# Altium PCB Aarons_MnDOT_Board_V1.1.PcbDoc (part 2 of 3)
Units mil, origin at the board's own origin, x right, y up, seen from the top; angles counter-clockwise.
Board outline 4500 x 2200 mil, 4 copper layers (Top Layer, Signal Layer 1, Signal Layer 2, Bottom Layer), stack 30.634 mil thick; 292 components, 149 nets, 764 pads, 182 vias.
Unrouted connection lines stored in the file: 2.
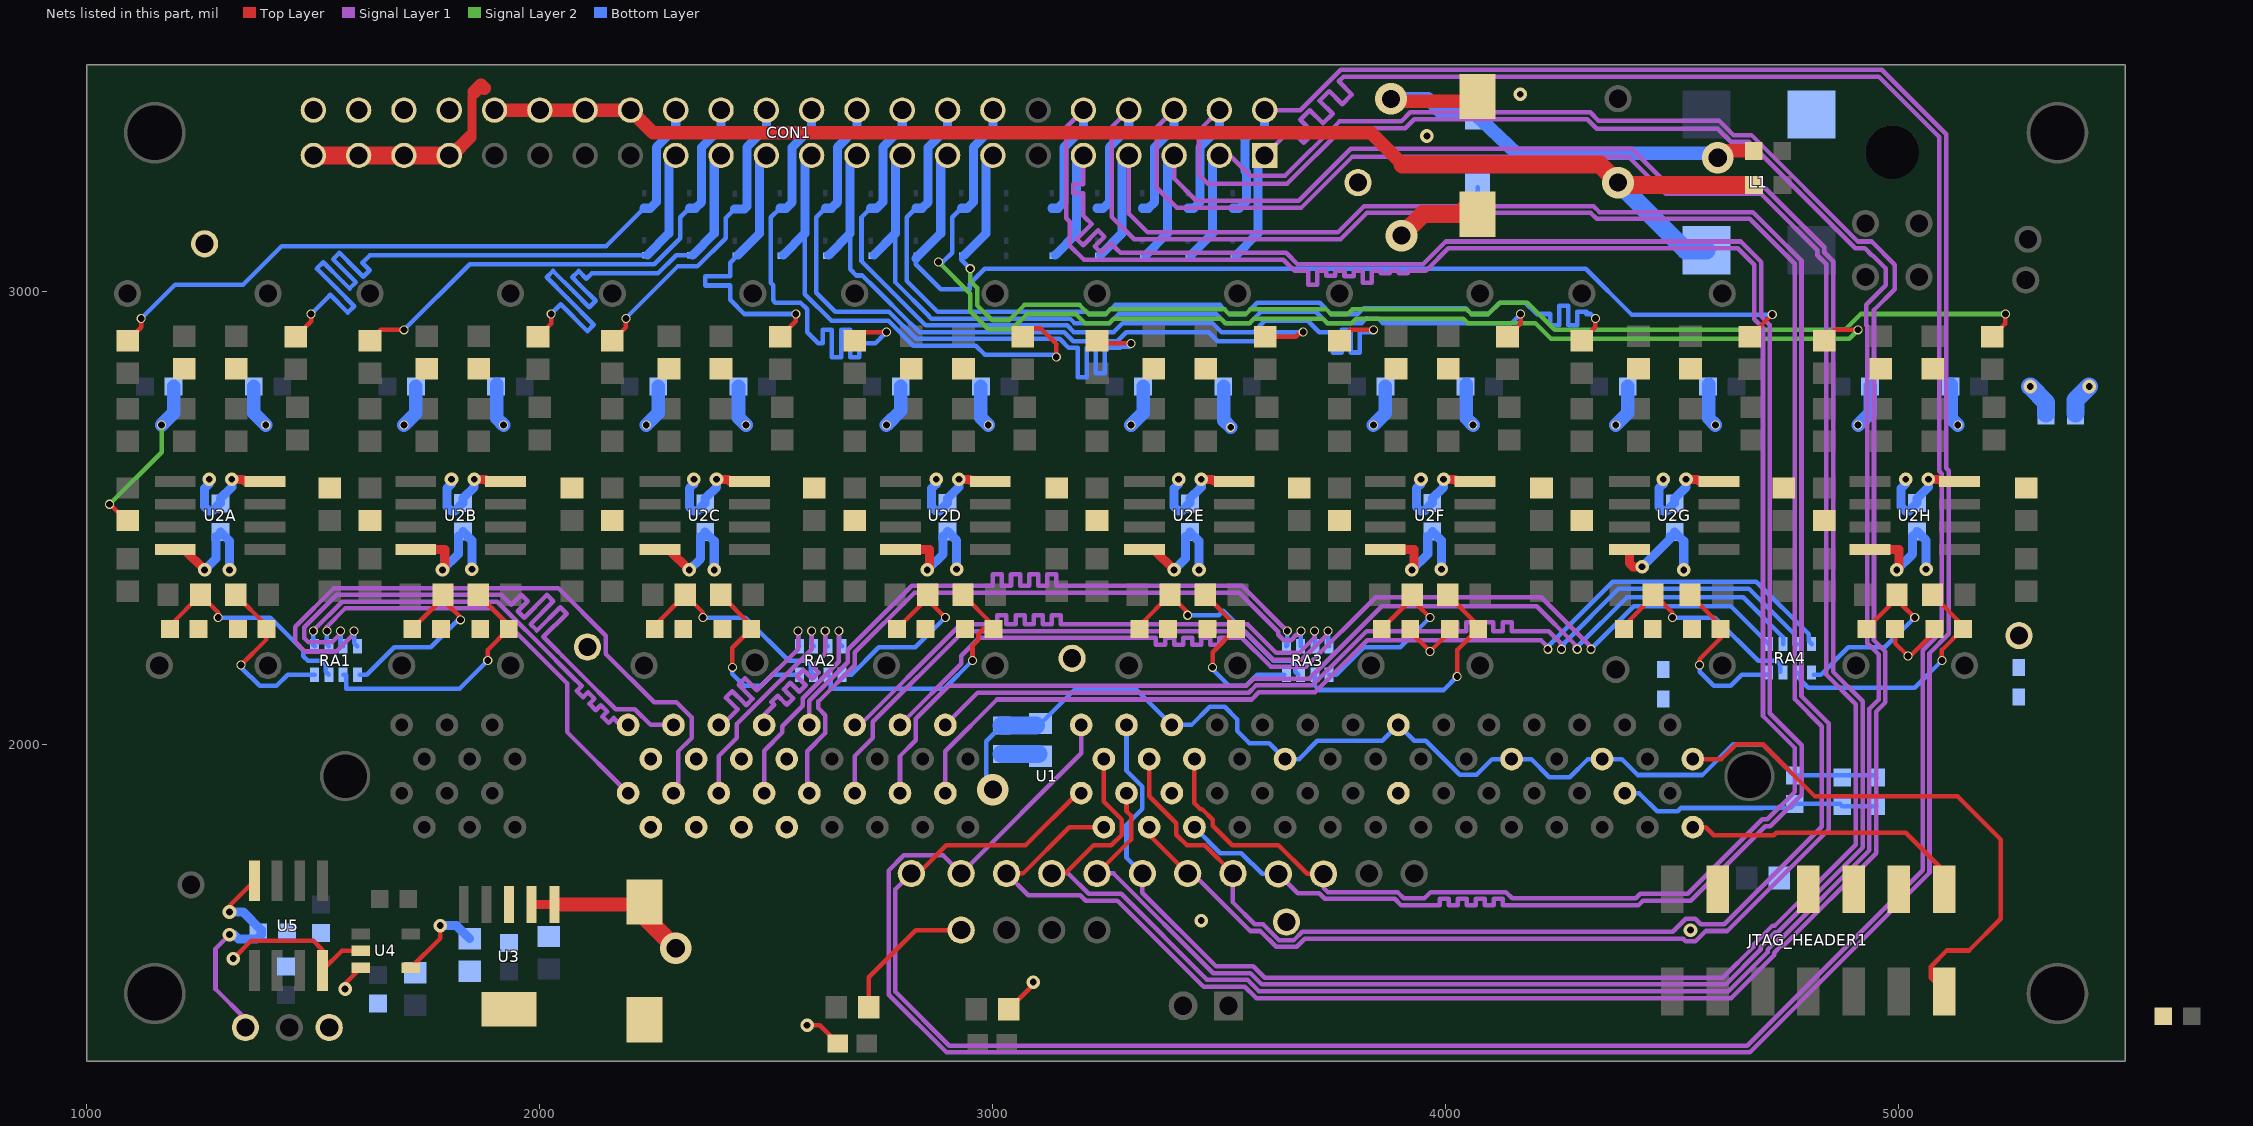
[diagram p4: the nets of this part, all layers, seen from the top]

## Via types
v1: diameter 20, hole 15, Top Layer to Bottom Layer, 97 vias
v2: diameter 30, hole 15, Top Layer to Bottom Layer, 49 vias
v3: diameter 20, hole 10, Top Layer to Bottom Layer, 28 vias
v4: diameter 70, hole 40, Top Layer to Bottom Layer, 8 vias

## Nets (pads, with @x,y where several pads share a name; then routed paths per layer and width w, separated by ;. In a path a pad name is that pad's centre, name@x,y a point inside that pad or via, vN(x,y) a via of type N, cw(c..) or ccw(c..) an arc to the next point about the centre after c; other vN are vias at no path point) (continued)
5V_A: C10A.2 C10B.2 C10C.2 C10D.2 C10E.2 C10F.2 C10G.2 C10H.2 L2.2 U2A.8 U2B.8 U2C.8 U2D.8 U2E.8 U2F.8 U2G.8 U2H.8 | length 2490.7
  Top Layer w10: U2A.8@1195,2430 U2A.8@1215,2430 ; U2C.8@2265,2430 U2C.8@2285,2430 ; U2E.8@3335,2430 U2E.8@3355,2430
  Top Layer w20: U2A.8@1215,2430 v2(1260,2385) ; U2B.8@1726,2430 1790,2430 1790,2390 v2(1785,2385) ; U2C.8@2285,2430 v2(2330,2385) ; U2D.8@2796,2430 2860,2430 2860,2390 v2(2855,2385) ; U2E.8@3355,2430 v2(3400,2385) ; U2F.8@3866,2430 3930,2430 3930,2390 v2(3925,2385) ; U2G.8@4405,2430 4405,2400 4413,2392 v2(4433,2392) ; U2H.8@4936,2430 5000,2430 5000,2390 v2(4995,2385)
  Bottom Layer w10: v2@1250,2385 v2(1260,2385) ; C10A.2@1285,2458.5 C10A.2@1295,2468.5 ; C10B.2@1820,2460 C10B.2@1830,2470 C10B.2@1830,2460 ; v2@2320,2385 v2(2330,2385) ; C10C.2@2355,2458.5 C10C.2@2365,2468.5 C10C.2@2365,2455 ; C10D.2@2890,2460 C10D.2@2900,2470 C10D.2@2900,2460 ; v2@3390,2385 v2(3400,2385) ; C10E.2@3425,2458.5 C10E.2@3435,2468.5 C10E.2@3435,2455 ; C10F.2@3960,2460 C10F.2@3970,2470 C10F.2@3970,2460 ; C10G.2@4495,2458.5 C10G.2@4505,2468.5 C10G.2@4505,2455 ; C10H.2@5030,2460 C10H.2@5040,2470 C10H.2@5040,2460
  Bottom Layer w20: v2(1260,2385) 1285,2410 C10A.2@1285,2458.5 ; C10A.2@1295,2468.5 1315,2448.5 v2(1315,2385) ; v2(1785,2385) 1820,2420 C10B.2@1820,2460 ; C10B.2@1830,2470 1850,2450 v2(1850,2386.5) ; v2(2330,2385) 2355,2410 C10C.2@2355,2458.5 ; C10C.2@2365,2468.5 2385,2448.5 v2(2385,2385) ; v2(2855,2385) 2890,2420 C10D.2@2890,2460 ; C10D.2@2900,2470 2920,2450 v2(2920,2386.5) ; v2(3400,2385) 3425,2410 C10E.2@3425,2458.5 ; C10E.2@3435,2468.5 3455,2448.5 v2(3455,2385) ; v2(3925,2385) 3960,2420 C10F.2@3960,2460 ; C10F.2@3970,2470 3990,2450 v2(3990,2386.5) ; v2(4433,2392) 4495,2454 C10G.2@4495,2458.5 ; C10G.2@4505,2468.5 4525,2448.5 v2(4525,2385) ; v2(4995,2385) 5030,2420 C10H.2@5030,2460 ; C10H.2@5040,2470 5060,2450 v2(5060,2386.5)
  Bottom Layer w40: v2(5290,2790) 5325.04,2754.96 L2.2@5325.04,2730
5V_D: 5VD.1 C1.1 C2.1 C3.1 C4.1 C14.1 C16.1 C20.1 C21.1 C24.2 CON1.37 CON1.39 CON1.41 CON1.43 D2.1 F1.2 L2.1 R16.2 TP36.1 U1.77 U1.82 U1.87 U1.92 U1.96 U3.1 U3.2 U4.3 U4.4 U5.8 | length 5503.3
  Top Layer w10: v2(1315,1630) 1315,1644 U5.8@1370,1699 U5.8@1370,1685 ; v2(1570,1460) 1570,1471.86 U4.3@1604.88,1506.74 ; U4.4@1715.12,1506.74 1780,1571.62 v2(1780,1600) ; C14.1@2225.5,1646.5 2226,1647 C14.1@2226,1624 ; R16.2@2726,1420.01 2726,1486 2830,1590 TP36.1@2930,1590 ; C16.1@4045,3455 C16.1@4070,3430
  Top Layer w20: 1845,3340 1850,3345 1850,3430 ; U3.2@1982.04,1646.5 U3.1@2032.04,1646.5
  Top Layer w30: CON1.37@1805,3300 1845,3340 ; 1855,3440 1870,3455 1877,3448 ; U3.1@2032.04,1646.5 C14.1@2225.5,1646.5 ; v4(3879,3425) 3884,3420 C16.1@4030,3420 ; v4(4600,3295) 4615,3310 F1.2@4673.5,3310
  Top Layer w40: CON1.43@1505,3300 CON1.41@1600,3300 CON1.39@1700,3300 CON1.37@1800,3300 CON1.37@1805,3300 ; C14.1@2226,1624 v4(2300,1550)
  Signal Layer 1 w10: v2(1315,1580) 1284,1549 1284,1459.98 1350,1393.98 5VD.1@1350,1375
  Bottom Layer w10: v4(3000,1900) 3000,1915 2985,1930 2985,2007.03 C3.1@3019.46,2041.5 ; C21.1@3095.5,2041.5 3100,2046 C21.1@3105,2046 3106,2046 3180,2120 3317.8,2120 U1.77@3395,2042.8 3438.43,2042.8 3478.43,2082.8 3511.57,2082.8 3538.97,2055.39 3538.97,2030.2 3566.37,2002.8 3609.8,2002.8 U1.82@3645,1967.6 3676.37,1967.6 3716.37,2007.6 3859.8,2007.6 U1.87@3895,2042.8 3930.2,2007.6 3955.5,2007.6 4030.5,1932.6 4067.6,1932.6 4102.6,1967.6 U1.92@4145,1967.6 4188.43,1967.6 4228.43,1927.6 4273.63,1927.6 4313.63,1967.6 U1.96@4345,1967.6 4388.43,1967.6 4423.63,1932.4 4566.37,1932.4 4634.47,2000.5 4699.2,2000.5 4768.21,1931.5 C2.1@4770,1931.5 4945.07,1931.5 C1.1@4950.07,1926.5 ; D2.1@4070,3390 D2.1@4070,3395
  Bottom Layer w20: v2(1315,1630) 1345,1630 1385,1590 1385,1580 1375,1570 1335,1570 v2@1325,1580 ; v2(1780,1600) 1816,1600 C20.1@1845,1571
  Bottom Layer w30: v4(3879,3425) 3960.46,3425 3993.86,3391.6 4069.78,3394.99 4070,3395 4065,3390 4067.64,3387.5 4069.4,3385.84 4079.98,3375.86 4155,3305 4590,3305 v4(4600,3295)
  Bottom Layer w40: C3.1@3019.46,2041.5 C21.1@3095.5,2041.5 ; L2.1@5390,2730 5390,2760 v2(5420,2790)
5V_IN: CON1.30 CON1.32 CON1.34 CON1.36 F4.2 L1.1 | length 3103.7
  Top Layer w30: CON1.36@1900,3400 CON1.34@2000,3400 CON1.32@2100,3400 CON1.30@2200,3400 2250,3350 3834.73,3350 3904.38,3280.35
  Top Layer w40: 3904.38,3280.35 4339.65,3280.35 v4(4380,3240) 4385.07,3234.93 F4.2@4678.5,3234.93
  Bottom Layer w40: v4(4380,3240) 4529.21,3090.79 L1.1@4575,3090.79
ADC0_A: CON1.27 D32.1 R5A.1 | length 1517
  Top Layer w10: R5A.1@1461.02,2899.98 1495,2933.95 v1(1495,2950)
  Bottom Layer w10: v1(1495,2950) 1530,2985 1537.22,2992.22 1576.18,2953.25 1590.32,2967.4 1551.36,3006.36 1507.4,3050.32 1521.54,3064.47 1565.5,3020.5 1579.86,3006.14 1594.01,3020.28 1579.64,3034.64 1543.43,3070.86 1557.57,3085 1593.79,3048.79 1610.35,3032.22 1624.49,3046.36 1607.93,3062.93 1615,3070 1625,3080 D32.1@2230,3080
  Bottom Layer w20: 2237.22,3080.15 2285,3127.93 CON1.27@2285,3300
ADC0_B: CON1.28 D33.1 R12A.1 | length 1525.4
  Top Layer w10: R12A.1@1090,2891 1120,2921 v1(1120,2940)
  Bottom Layer w10: v1(1120,2940) 1195,3015 1345,3015 1430,3100 2146.54,3100 D33.1@2230,3183.46
  Bottom Layer w20: D33.1@2230.3,3183.46 2243.46,3183.46 2257,3197 2257,3317.81 2300,3360.81 CON1.28@2300,3400
ADC1_A: CON1.25 D6.1 R5B.1 | length 1103
  Top Layer w10: R5B.1@1996.02,2899.98 2025,2928.95 v1(2025,2950)
  Bottom Layer w10: v1(2025,2950) 2032.07,2957.07 2046.21,2971.21 2105.18,2912.25 2119.32,2926.39 2060.36,2985.36 2014.85,3030.86 2028.99,3045 2074.5,2999.5 2109.25,2964.75 2123.39,2978.89 2088.64,3013.64 2071.42,3030.86 2085.56,3045 2102.78,3027.78 2115,3040 2260.71,3040 2300.71,3080 D6.1@2330,3080
  Bottom Layer w20: 2337.22,3080.15 2385,3127.93 CON1.25@2385,3300
ADC1_B: CON1.26 D13.1 R12B.1 | length 1106.4
  Top Layer w10: R12B.1@1625,2891 1649,2915 v1(1700,2915)
  Bottom Layer w10: v1(1700,2915) 1845,3060 2075.21,3060 2252.43,3060 2310,3117.57 2310,3163.46 D13.1@2330,3183.46
  Bottom Layer w20: D13.1@2330,3183.46 2343.46,3183.46 2357,3197 2357,3317.81 2400,3360.81 CON1.26@2400,3400
ADC2_A: CON1.23 D7.1 R5C.1 | length 677.6
  Top Layer w10: R5C.1@2531.02,2899.98 2565,2933.95 v1(2565,2950)
  Bottom Layer w10: 2437.22,3080.15 2420,3062.93 2420,3052.93 2420,3032.93 2365,3032.93 2365,3012.93 2420,3012.93 2420,2992.93 2420,2990 2420,2981.36 2451.36,2950 v1(2565,2950)
  Bottom Layer w20: 2437.22,3080.15 2485,3127.93 CON1.23@2485,3300
ADC2_B: CON1.24 D14.1 R12C.1 | length 688.1
  Top Layer w10: R12C.1@2160,2891 2190,2921 v1(2190,2940)
  Bottom Layer w10: v1(2190,2940) 2190,2941.01 2303.99,3055 2347.43,3055 2410,3117.57 2410,3161.93 D14.1@2430,3181.93
  Bottom Layer w20: D14.1@2430,3181.93 2451.93,3181.93 2457,3187 2457,3317.81 2500,3360.81 CON1.24@2500,3400
ADC3_A: CON1.21 D8.1 R5D.1 | length 1108.8
  Top Layer w10: R5D.1@3066.02,2899.98 3084.05,2918 3105.95,2918 3140,2883.95 v1(3140,2855)
  Bottom Layer w10: 2585,3127.93 2585,2993.64 2643.64,2935 2769.45,2935 2824.45,2880 2962.57,2880 2982.57,2860 v1@3140,2860
  Bottom Layer w20: 2537.22,3080.15 2585,3127.93 CON1.21@2585,3300
ADC3_B: CON1.22 D15.1 R12D.1 | length 1114.1
  Top Layer w10: R12D.1@2695,2891 2714,2910 v1(2765,2910)
  Bottom Layer w10: D15.1@2530,3183.46 2510,3163.46 2510,3018.64 2515,3013.64 2515,2980 2520,2975 2575.36,2975 2590,2960.36 2590,2910 2614.9,2885.1 ; 2614.79,2885 2624.79,2885 2624.79,2915 2644.79,2915 2644.79,2885 2644.79,2855 2664.79,2855 2664.79,2885 2664.79,2915 2684.79,2915 2684.79,2885 2684.79,2855 2704.79,2855 2704.79,2885 2710,2885 2740,2885 v1(2765,2910)
  Bottom Layer w20: D15.1@2530.3,3183.46 2543.46,3183.46 2557,3197 2557,3317.81 2600,3360.81 CON1.22@2600,3400
ADC4_A: CON1.19 D9.1 R5E.1 | length 1497.6
  Top Layer w10: R5E.1@3601.02,2899.98 3668.93,2899.98 3678.95,2910 v1(3685,2910)
  Bottom Layer w10: 2685,3127.93 2685,3048.64 2698.64,3035 2711.57,3035 2740,3006.57 2740.36,3006.57 2816.92,2930 2818.08,2930 2838.08,2910 3157.78,2910 3177.78,2890 3274.64,2890 3294.64,2910 3476.51,2910 3496.51,2890 3583.49,2890 3603.49,2910 v1(3685,2910)
  Bottom Layer w20: 2637.22,3080.15 2685,3127.93 CON1.19@2685,3300
ADC4_B: CON1.20 D16.1 R12E.1 | length 1497.8
  Top Layer w10: R12E.1@3240,2885 v1(3305,2885)
  Bottom Layer w10: D16.1@2630,3183.46 2610,3163.46 2610,2996.92 2651.92,2955 2770.71,2955 2830.71,2895 3147.43,2895 3167.43,2875 3187.43,2875 3187.43,2810 3207.43,2810 3207.43,2875 3227.43,2875 3227.43,2819.59 3247.43,2819.59 3247.43,2875 3267.43,2875 3280.86,2875 3283.36,2877.5 v1@3302.5,2877.5
  Bottom Layer w20: D16.1@2630.3,3183.46 2643.46,3183.46 2657,3197 2657,3317.81 2700,3360.81 CON1.20@2700,3400
ADC5_A: CON1.17 D10.1 R5F.1 | length 1881.7
  Top Layer w10: R5F.1@4136.02,2899.98 4165,2928.95 v1(4165,2950)
  Bottom Layer w10: 2785,3127.93 2785,3019.64 2859.25,2945.4 2859.25,2944.25 2863.49,2940 3170.21,2940 3180.21,2930 3258.08,2930 3278.08,2950 3493.08,2950 3513.08,2930 3566.92,2930 3591.92,2955 3713.08,2955 3738.08,2930 3814.29,2930 3824.77,2940.23 3825,2940 3850.36,2940 3860.36,2930 4145,2930 v1(4165,2950)
  Bottom Layer w20: 2737.22,3080.15 2785,3127.93 CON1.17@2785,3300
ADC5_B: CON1.18 D17.1 R12F.1 | length 1887.6
  Top Layer w10: R12F.1@3765,2891 3789,2915 v1(3840,2915)
  Bottom Layer w10: D17.1@2730,3183.46 2710,3163.46 2710,3066.36 2851.36,2925 3163.99,2925 3178.99,2910 3266.36,2910 3286.36,2930 3484.79,2930 3504.79,2910 3575.21,2910 3600.21,2935 3695.36,2935 3720.36,2910 3730.36,2910 3750.36,2910 3750.36,2865 3770.36,2865 3770.36,2910 3770.36,2915 3790.36,2915 3790.36,2910 3790.36,2865 3810.36,2865 3810.36,2910 3830.36,2910 3835,2910 v1(3840,2915)
  Bottom Layer w20: D17.1@2730.3,3183.46 2743.46,3183.46 2757,3197 2757,3317.81 2800,3360.81 CON1.18@2800,3400
ADC6_A: CON1.15 D11.1 R5G.1 | length 2313
  Top Layer w10: R5G.1@4671.02,2899.98 4719.83,2948.79 v1(4720.36,2948.79)
  Bottom Layer w10: D11.1@2830,3072.93 2830,3060 2885,3005 2949.1,3005 2949.1,3016.88 2982.22,3050 4308.64,3050 4409.85,2948.79 v1(4720.36,2948.79)
  Bottom Layer w20: D11.1@2830,3072.93 2885,3127.93 CON1.15@2885,3300
ADC6_B: CON1.16 D18.1 R12G.1 | length 2252.2
  Top Layer w10: R12G.1@4300,2891 4330,2921 v1(4330,2940)
  Bottom Layer w10: D18.1@2830,3183.46 2810,3163.46 2810,3022.93 2872.93,2960 2877.93,2955 3206.36,2955 3211.36,2950 3249.79,2950 3269.79,2970 3501.36,2970 3521.36,2950 3558.64,2950 3583.64,2975 3721.36,2975 3746.36,2950 3805.92,2950 3818.23,2962.3 4044.06,2962.3 4056.36,2950 4093.64,2950 4118.64,2975 4175.36,2975 4200.36,2950 4210.36,2950 4230.36,2950 4230.36,2925 4250.36,2925 4250.36,2950 4250.36,2968.15 4270.36,2968.15 4270.36,2950 4270.36,2925 4290.36,2925 4290.36,2950 4290.36,2955 4310.36,2955 4310.36,2950 4320,2950 v1(4330,2940)
  Bottom Layer w20: D18.1@2830.3,3183.46 2843.46,3183.46 2857,3197 2857,3317.81 2900,3360.81 CON1.16@2900,3400
ADC7_A: CON1.13 D12.1 R5H.1 | length 2806
  Top Layer w10: R5H.1@5206.02,2899.98 5235,2928.95 v1(5235,2950)
  Signal Layer 2 w10: v1(2950,3050) 2950,3023.28 2965,3008.28 2965,2969.36 2998.37,2935.99 3035.65,2935.99 3069.66,2970 3191.36,2970 3211.36,2950 3248.64,2950 3258.64,2960 3511.36,2960 3521.36,2950 3558.64,2950 3568.64,2960 3736.36,2960 3746.36,2950 3783.64,2950 3793.64,2960 4046.36,2960 4056.36,2950 4093.64,2950 4118.64,2975 4180,2975 4240,2915 4881,2915 4916,2950 v1(5235,2950)
  Bottom Layer w10: D12.1@2930,3078.46 2930,3070 v1(2950,3050)
  Bottom Layer w20: 2937.22,3080.15 2985,3127.93 CON1.13@2985,3300
ADC7_B: CON1.14 D19.1 R12H.1 | length 2667.6
  Top Layer w10: R12H.1@4835,2891 4859,2915 v1(4910,2915)
  Signal Layer 2 w10: v1(2880,3065) 2950,2995 2950,2956.07 2990.09,2915.99 3041.99,2915.99 3076,2950 3183.08,2950 3203.08,2930 3256.92,2930 3266.92,2940 3503.08,2940 3513.08,2930 3566.92,2930 3576.92,2940 3728.08,2940 3738.08,2930 3791.92,2930 3801.92,2940 4038.08,2940 4048.08,2930 4197,2930 4232,2895 4890,2895 v1(4910,2915)
  Bottom Layer w10: v1(2880,3065) 2890,3065 2910,3085 2910,3163.46 D19.1@2930,3183.46
  Bottom Layer w20: D19.1@2930.3,3183.46 2943.46,3183.46 2957,3197 2957,3317.81 3000,3360.81 CON1.14@3000,3400
ADC_0_N: C11A.1 R11A.2 RA1.7 | length 482.1
  Top Layer w10: C11A.1@1183.5,2254.93 1183.5,2262.5 R11A.2@1251,2330 1290,2291 v1(1290,2280)
  Bottom Layer w10: v1(1290,2280) 1405,2280 1477.91,2207.09 1477.91,2194.53 1488.2,2184.25 1518.81,2184.25 1527.6,2175.47 1527.6,2160.16 RA1.7@1534.25,2153.5
ADC_0_P: C8A.1 R4A.2 RA1.8 | length 401
  Top Layer w10: R4A.2@1329,2330 1396.5,2262.5 C8A.1@1396.5,2254.93 1396.5,2231.5 v1(1340,2175)
  Bottom Layer w10: v1(1340,2175) 1340,2170.38 1381.36,2129.02 1418.64,2129.02 1443.12,2153.5 RA1.8@1502.76,2153.5
ADC_1_N: C11B.1 R11B.2 RA1.5 | length 440.7
  Top Layer w10: C11B.1@1718.5,2254.93 1773.68,2310.11 1771,2312.79 R11B.2@1771,2330 ; R11B.2@1801,2330 1801,2312.79 1796.61,2308.39 1825,2280 v1(1825,2275)
  Bottom Layer w10: RA1.5@1602.24,2153.5 1617.92,2153.5 1678.43,2214.02 1759.02,2214.02 1820,2275 v1(1825,2275)
ADC_1_P: C8B.1 R4B.2 RA1.6 | length 568
  Top Layer w10: R4B.2@1864,2330 1931.5,2262.5 C8B.1@1931.5,2254.93 1885,2208.44 v1(1885,2185)
  Bottom Layer w10: RA1.6@1565.75,2153.5 1572.4,2153.5 1572.4,2122.76 1822.76,2122.76 v1(1885,2185)
ADC_2_N: C11C.1 R11C.2 RA2.7 | length 474.8
  Top Layer w10: C11C.1@2253.5,2254.93 2253.5,2262.5 R11C.2@2321,2330 2360,2291 v1(2360,2280)
  Bottom Layer w10: v1(2360,2280) 2453.66,2280 2549.41,2184.25 2588.81,2184.25 2597.6,2175.47 2597.6,2160.16 RA2.7@2604.25,2153.5
ADC_2_P: C8C.1 R4C.2 RA2.8 | length 388.6
  Top Layer w10: R4C.2@2399,2330 2466.5,2262.5 C8C.1@2466.5,2254.93 2425,2213.44 v1(2425,2170)
  Bottom Layer w10: v1(2425,2170) 2425,2155.38 2451.36,2129.02 2488.64,2129.02 2513.12,2153.5 RA2.8@2572.76,2153.5
ADC_3_N: C11D.1 R11D.2 RA2.5 | length 437.8
  Top Layer w10: C11D.1@2788.5,2254.93 2843.68,2310.11 2841,2312.79 R11D.2@2841,2330 ; R11D.2@2871,2330 2871,2312.79 2866.61,2308.39 v1(2895,2280)
  Bottom Layer w10: RA2.5@2672.24,2153.5 2687.92,2153.5 2748.43,2214.02 2829.02,2214.02 v1(2895,2280)
ADC_3_P: C8D.1 R4D.2 RA2.6 | length 580.6
  Top Layer w10: R4D.2@2934,2330 3001.5,2262.5 C8D.1@3001.5,2254.93 2979.93,2254.93 2968.19,2243.19 2968.19,2231.11 2955,2217.92 v1(2955,2185)
  Bottom Layer w10: RA2.6@2635.75,2153.5 2642.4,2146.85 2642.4,2122.76 2892.76,2122.76 ; 2890,2120 2892.76,2122.76 ; v1(2955,2185) 2892.76,2122.76
ADC_4_N: C11E.1 R11E.2 RA3.7 | length 480.1
  Top Layer w10: C11E.1@3323.5,2254.93 3323.5,2262.5 R11E.2@3391,2330 3430,2291 v1(3430,2285)
  Bottom Layer w10: v1(3430,2285) 3498.66,2285 3508.66,2295 3619.41,2184.25 3658.81,2184.25 3667.6,2175.47 3667.6,2160.16 RA3.7@3674.25,2153.5
ADC_4_P: C8E.1 R4E.2 RA3.8 | length 396.9
  Top Layer w10: R4E.2@3469,2330 3536.5,2262.5 C8E.1@3536.5,2254.93 3485,2203.44 v1(3485,2170)
  Bottom Layer w10: v1(3485,2170) 3485,2165.38 3521.36,2129.02 3558.64,2129.02 3583.12,2153.5 RA3.8@3642.76,2153.5
ADC_5_N: C11F.1 R11F.2 RA3.5 | length 420.4
  Top Layer w10: C11F.1@3858.5,2254.93 3913.68,2310.11 3938.32,2310.11 3936.61,2308.39 v1(3965,2280)
  Bottom Layer w10: RA3.5@3742.24,2153.5 3757.92,2153.5 3818.43,2214.02 3899.02,2214.02 v1(3965,2280)
ADC_5_P: C8F.1 R4F.2 RA3.6 | length 578.8
  Top Layer w10: R4F.2@4004,2330 4071.5,2262.5 C8F.1@4071.5,2254.93 4025,2208.44 v1(4025,2150)
  Bottom Layer w10: RA3.6@3710,2150 3710,2130 3720,2120 3995,2120 v1(4025,2150)
ADC_6_N: C11G.1 R11G.2 RA4.7 | length 465.4
  Top Layer w10: C11G.1@4393.5,2254.93 4393.5,2262.5 4461,2330 4500,2291 v1(4500,2280)
  Bottom Layer w10: v1(4500,2280) 4593.66,2280 4689.41,2184.25 4728.81,2184.25 4737.6,2175.47 RA4.7@4737.6,2160.16
ADC_6_P: C8G.1 R4G.2 RA4.8 | length 392.7
  Top Layer w10: R4G.2@4539,2330 4606.5,2262.5 C8G.1@4606.5,2254.93 4606.5,2234.93 4560,2188.44 v1(4560,2175)
  Bottom Layer w10: v1(4560,2175) 4560,2160.38 4591.36,2129.02 4628.64,2129.02 4653.12,2153.5 RA4.8@4712.76,2153.5
ADC_7_N: C11H.1 R11H.2 RA4.5 | length 437.8
  Top Layer w10: C11H.1@4928.5,2254.93 4983.68,2310.11 4981,2312.79 R11H.2@4981,2330 ; R11H.2@5011,2330 5011,2312.79 5006.61,2308.39 v1(5035,2280)
  Bottom Layer w10: RA4.5@4812.24,2153.5 4827.92,2153.5 4888.43,2214.02 4969.02,2214.02 v1(5035,2280)
ADC_7_P: C8H.1 R4H.2 RA4.6 | length 555.6
  Top Layer w10: R4H.2@5074,2330 5141.5,2262.5 C8H.1@5141.5,2254.93 5095,2208.44 v1(5095,2185)
  Bottom Layer w10: RA4.6@4775.75,2158.5 4782.4,2151.85 4782.4,2142.6 4800,2125 5035,2125 v1(5095,2185)
ADC_A0: RA1.1 U1.57 | length 964.5
  Signal Layer 1 w10: v1(1500,2250) 1500,2251.21 1563.79,2315 1906.21,2315 2035,2186.21 2035,2186.01 2076.01,2145 2076.21,2145 2088.11,2133.11 2092.22,2128.99 2081.18,2117.96 2095.33,2103.82 2106.36,2114.85 2120.5,2100.71 2109.47,2089.68 2123.61,2075.53 2134.64,2086.57 2148.79,2072.43 2137.75,2061.39 2151.89,2047.25 2162.93,2058.28 2170,2051.21 2170,2050 2177.2,2042.8 U1.57@2195,2042.8
  Bottom Layer w10: v1(1500,2250) 1500,2219.25 RA1.1@1502.76,2216.5
ADC_A1: RA1.3 U1.59 | length 1471.1
  Signal Layer 1 w10: v1(1560,2250) 1560,2244.64 1540.36,2225 1489.64,2225 1480,2234.64 1480,2258.28 1551.72,2330 1915,2330 1930,2315 1937.07,2307.93 1959.14,2330 1973.29,2315.86 1951.21,2293.79 1965.36,2279.64 2015.71,2330 2029.85,2315.86 1979.5,2265.5 1993.64,2251.36 2045.1,2302.82 2059.25,2288.68 2007.78,2237.22 2021.92,2223.08 2035,2210 2050,2195 ; 2050.04,2195 2089.84,2155.2 ; 2089.84,2155.16 2167.2,2077.8 2209.5,2077.8 2244.5,2042.8 U1.59@2295,2042.8
  Bottom Layer w10: v1(1560,2250) 1560,2222.24 RA1.3@1565.75,2216.5
ADC_A2: RA2.1 U1.61 | length 480.3
  Signal Layer 1 w10: U1.61@2395,2042.8 2402.41,2042.8 2429.62,2070 2436.69,2077.07 2410.42,2103.35 2424.56,2117.49 2450.83,2091.21 2455.42,2086.63 2469.56,2100.77 2464.97,2105.36 2438.7,2131.63 2452.84,2145.77 2479.12,2119.5 2484.62,2125 2570,2210.38 v1(2570,2250)
  Bottom Layer w10: v1(2570,2250) 2570,2219.25 RA2.1@2572.76,2216.5
ADC_A3: RA2.3 U1.63 | length 468.7
  Signal Layer 1 w10: U1.63@2495,2042.8 2495,2065 2510,2080 2517.07,2087.07 2510.61,2093.53 2524.75,2107.68 2531.21,2101.21 2545.18,2087.25 2559.32,2101.39 2545.36,2115.36 2538.89,2121.82 2553.03,2135.96 2559.5,2129.5 2572.81,2116.18 2586.96,2130.32 2573.64,2143.64 2567.18,2150.1 2581.32,2164.25 2587.78,2157.78 2601.1,2144.47 2615.24,2158.61 2601.92,2171.92 2615,2185 2630,2200 v1(2630,2250)
  Bottom Layer w10: v1(2630,2250) 2630,2222.24 RA2.3@2635.75,2216.5
ADC_A4: RA3.1 U1.65 | length 1512.1
  Signal Layer 1 w10: U1.65@2595,2042.8 2595,2095.94 2680,2180.94 2680,2209.23 2820.77,2350 2990,2350 3000,2350 3000,2375 3020,2375 3020,2350 3040,2350 3040,2375 3060,2375 3060,2350 3080,2350 3080,2375 3100,2375 3100,2350 3120,2350 3120,2375 3140,2375 3140,2350 3160,2350 3165,2350 3550,2350 v1(3650,2250)
  Bottom Layer w10: RA3.1@3647.76,2222.76 RA3.1@3647.76,2216.5 3650,2218.74 v1(3650,2250)
ADC_A5: RA3.3 U1.67 | length 1365.9
  Signal Layer 1 w10: U1.67@2695,2042.8 2706.58,2042.8 2913.79,2250 ; v1(3710,2250) 3710,2235.86 3675.86,2201.72 3625.44,2201.72 3562.16,2265 3195,2265 3190,2265 3170,2265 3150,2265 3150,2285 3130,2285 3130,2265 3110,2265 3110,2285 3090,2285 3090,2265 3070,2265 3070,2285 3050,2285 3050,2265 3030,2265 3030,2285 3010,2285 3010,2265 3000,2265 2928.79,2265 2920,2256.21 ; 2913.79,2250 2920,2256.21 ; 2913.79,2250 2913.28,2250 2920,2256.72 2920,2256.21
  Bottom Layer w10: v1(3710,2250) 3710,2217.24 RA3.3@3710.75,2216.5
ADC_A6: RA4.1 U1.69 | length 2342.1
  Signal Layer 1 w10: U1.69@2795,2042.8 2930,2177.8 2930,2195.36 2969.64,2235 3330,2235 3340,2235 3360,2235 3360,2220 3380,2220 3380,2235 3400,2235 3400,2220 3420,2220 3420,2235 3440,2235 3440,2220 3460,2220 3460,2235 3480,2235 3480,2220 3500,2220 3500,2235 3510,2235 3549.73,2235 3613.01,2171.72 3691.72,2171.72 3845,2325 4210.36,2325 4320,2215.36 v1(4320,2210)
  Bottom Layer w10: v1(4320,2210) 4415,2305 4629.25,2305 RA4.1@4712.76,2221.5
ADC_A7: RA4.3 U1.71 | length 2258.5
  Signal Layer 1 w10: U1.71@2895,2042.8 2966.22,2114.02 3564.85,2114.02 3580.83,2130 3704.85,2130 3824.85,2250 3980,2250 3985,2250 4005,2250 4005,2270 4025,2270 4025,2250 4045,2250 4045,2270 4065,2270 4065,2250 4085,2250 4085,2270 4105,2270 4105,2250 4125,2250 4125,2270 4145,2270 4145,2250 4165,2250 4175,2250 4227.07,2250 4253.28,2223.79 v1@4253.28,2217.07
  Bottom Layer w10: v1@4259.82,2215.18 4259.82,2221.89 4381.93,2344 4668.55,2344 4769.09,2243.46 4769.09,2221.5 RA4.3@4775.75,2221.5
  other v1: 4255,2210
ADC_B0: RA1.2 U1.7 | length 958.7
  Signal Layer 1 w10: v1(1530,2250) 1530,2260 1570,2300 1895,2300 2060,2135 2060,2027.4 U1.7@2195,1892.4
  Bottom Layer w10: v1(1530,2250) 1530,2220.75 RA1.2@1534.25,2216.5
ADC_B1: RA1.4 U1.9 | length 1466.1
  Signal Layer 1 w10: v1(1590,2250) 1590,2244.64 1550.36,2205 1481.36,2205 1460,2226.36 1460,2259.5 1545.5,2345 2040.51,2345 2145.13,2239.71 2145,2200 2252.2,2092.8 2301.57,2092.8 2335,2059.36 2335,2014.17 2305,1984.17 2305,1902.4 U1.9@2295,1892.4
  Bottom Layer w10: v1(1590,2250) 1590.59,2249.41 1590.59,2223.15 RA1.4@1597.24,2216.5
ADC_B2: RA2.2 U1.11 | length 477.8
  Signal Layer 1 w10: U1.11@2395,1892.4 2395,1974.17 2435,2014.17 2435,2045 2459.56,2069.56 2600,2210 v1(2600,2250)
  Bottom Layer w10: v1(2600,2250) 2600,2220.75 RA2.2@2604.25,2216.5
ADC_B3: RA2.4 U1.13 | length 462.4
  Signal Layer 1 w10: U1.13@2495,1892.4 2495,1986.23 2535,2026.23 2535,2040 2580,2085 2580,2102.16 2660,2182.16 v1(2660,2250)
  Bottom Layer w10: v1(2660,2250) 2660.59,2249.41 2660.59,2223.15 RA2.4@2667.24,2216.5
ADC_B4: RA3.2 U1.15 | length 1501.1
  Signal Layer 1 w10: U1.15@2595,1892.4 2595,1913.97 2590,1918.97 2590,1985 2630,2025 2630,2064.36 2615,2079.36 2615,2094.73 2695,2174.73 2695,2203.01 2826.99,2335 3543.79,2335 3630,2248.79 3630,2241.72 3641.72,2230 3658.28,2230 3670,2241.72 3677.07,2241.72 3680,2244.64 v1(3680,2250)
  Bottom Layer w10: RA3.2@3679.25,2216.5 3680,2217.24 v1(3680,2250)
ADC_B5: RA3.4 U1.17 | length 1352
  Signal Layer 1 w10: U1.17@2695,1892.4 2695,1974.17 2735,2014.17 2735,2050 2935,2250 3555.94,2250 3619.23,2186.72 3682.07,2186.72 3740,2244.64 v1(3740,2250)
  Bottom Layer w10: v1(3740,2250) 3740,2218.74 RA3.4@3742.24,2216.5
ADC_B6: RA4.2 U1.19 | length 2351.6
  Signal Layer 1 w10: U1.19@2795,1892.4 2795,1974.17 2830,2009.17 2830,2056.58 2902.44,2129.02 3558.64,2129.02 3574.62,2145 3698.64,2145 3858.64,2305 4200.36,2305 4285,2220.36 4285,2209.64 4290,2204.64 v1(4290,2210)
  Bottom Layer w10: v1(4290,2210) 4290,2215.36 4399.64,2325 4656.06,2325 4744.25,2236.8 RA4.2@4744.25,2221.5
ADC_B7: RA4.4 U1.21 | length 2248.3
  Signal Layer 1 w10: U1.21@2895,1892.4 2895,1985 3009.02,2099.02 3571.07,2099.02 3587.05,2115 3711.07,2115 3826.07,2230 4210,2230 4225,2215 v1(4225,2210)
  Bottom Layer w10: v1(4225,2210) 4225,2215.36 4368.64,2359 4685.05,2359 4800.59,2243.46 4800.59,2228.15 RA4.4@4807.24,2221.5
AGND: C8A.2 C8B.2 C8C.2 C8D.2 C8E.2 C8F.2 C8G.2 C8H.2 C9A.2 C9B.2 C9C.2 C9D.2 C9E.2 C9F.2 C9G.2 C9H.2 C10A.1 C10B.1 C10C.1 C10D.1 C10E.1 C10F.1 C10G.1 C10H.1 C11A.2 C11B.2 C11C.2 C11D.2 C11E.2 C11F.2 C11G.2 C11H.2 C12A.2 C12B.2 C12C.2 C12D.2 C12E.2 C12F.2 C12G.2 C12H.2 GND4.1 GND5.1 GND6.1 GND7.1 L3.2 L4.2 R1A.2 R1B.2 R1C.2 R1D.2 R1E.2 R1F.2 R1G.2 R1H.2 R7A.1 R7B.1 R7C.1 R7D.1 R7E.1 R7F.1 R7G.1 R7H.1 R8A.2 R8B.2 R8C.2 R8D.2 R8E.2 R8F.2 R8G.2 R8H.2 R14A.1 R14B.1 R14C.1 R14D.1 R14E.1 R14F.1 R14G.1 R14H.1 U1.8 U1.10 U1.12 U1.14 U1.58 U1.60 U1.62 U1.64 U2A.4 U2B.4 U2C.4 U2D.4 U2E.4 U2F.4 U2G.4 U2H.4 | length 4228
  Top Layer w10: v1(1050,2530) R8A.2@1090,2494 ; C8A.2@1333.5,2248.5 C8A.2@1333.5,2254.93 ; U2A.4@1350,2580 U2A.4@1389,2580 ; C8B.2@1868.5,2248.5 C8B.2@1868.5,2254.93 ; U2B.4@1885,2580 U2B.4@1924,2580 ; R1B.2@2075,2569.99 R1B.2@2071.01,2566 R1B.2@2088,2566 ; C8C.2@2403.5,2248.5 C8C.2@2403.5,2254.93 ; U2C.4@2420,2580 U2C.4@2459,2580 ; R1C.2@2615,2574.99 R1C.2@2606.01,2566 R1C.2@2623,2566 ; C8D.2@2938.5,2248.5 C8D.2@2938.5,2254.93 ; U2D.4@2955,2580 U2D.4@2994,2580 ; R1D.2@3150,2574.99 R1D.2@3141.01,2566 R1D.2@3158,2566 ; C8E.2@3473.5,2248.5 C8E.2@3473.5,2254.93 ; U2E.4@3490,2580 U2E.4@3529,2580 ; R1E.2@3685,2566 R1E.2@3693,2566 ; C11F.2@3925,2245 v1@3961.78,2208.22 ; v1@3965,2211.43 v1(3965,2205) 4008.5,2248.5 C8F.2@4008.5,2254.93 ; U2F.4@4025,2580 U2F.4@4064,2580 ; R1F.2@4225,2579.99 R1F.2@4211.01,2566 R1F.2@4228,2566 ; C8G.2@4543.5,2248.5 C8G.2@4543.5,2254.93 ; U2G.4@4560,2580 U2G.4@4599,2580 ; R1G.2@4746.01,2566 R1G.2@4763,2566 ; C11H.2@4991.5,2254.93 4991.5,2223.5 v1(5020,2195) 5025,2195 5078.5,2248.5 C8H.2@5078.5,2254.93 ; U2H.4@5095,2580 U2H.4@5134,2580
  Top Layer w20: v2(1320,2585) 1345,2585 U2A.4@1350,2580 ; v2(1855,2585) 1880,2585 U2B.4@1885,2580 ; v2(2390,2585) 2415,2585 U2C.4@2420,2580 ; v2(2925,2585) 2950,2585 U2D.4@2955,2580 ; v2(3460,2585) 3485,2585 U2E.4@3490,2580 ; v2(3995,2585) 4020,2585 U2F.4@4025,2580 ; v2(4530,2585) 4555,2585 U2G.4@4560,2580 ; v2(5065,2585) 5090,2585 U2H.4@5095,2580
  Signal Layer 2 w10: v1(1050,2530) 1165,2645 v1(1165,2705)
  Bottom Layer w20: v2(1270,2585) 1270,2575 1260,2565 1260,2525 1270,2515 1277.01,2515 1295,2532.99 1295,2542.99 1320,2567.99 v2(1320,2585) ; v2(1805,2585) 1805,2575 1795,2565 1795,2525 1805,2515 1812.01,2515 C10B.1@1830,2532.99 1830,2542.99 1855,2567.99 v2(1855,2585) ; v2(2340,2585) 2340,2575 2330,2565 2330,2525 2340,2515 2347.01,2515 2365,2532.99 2365,2542.99 2390,2567.99 v2(2390,2585) ; v2(2875,2585) 2875,2575 2865,2565 2865,2525 2875,2515 2882.01,2515 C10D.1@2900,2532.99 2900,2542.99 2925,2567.99 v2(2925,2585) ; v2(3410,2585) 3410,2575 3400,2565 3400,2525 3410,2515 3417.01,2515 3435,2532.99 3435,2542.99 3460,2567.99 v2(3460,2585) ; v2(3945,2585) 3945,2575 3935,2565 3935,2525 3945,2515 3952.01,2515 C10F.1@3970,2532.99 3970,2542.99 3995,2567.99 v2(3995,2585) ; v2(4480,2585) 4480,2575 4470,2565 4470,2525 4480,2515 4487.01,2515 4505,2532.99 4505,2542.99 4530,2567.99 v2(4530,2585) ; v2(5015,2585) 5015,2575 5005,2565 5005,2525 5015,2515 5022.01,2515 C10H.1@5040,2532.99 5040,2542.99 5065,2567.99 v2(5065,2585)
  Bottom Layer w30: v1(1165,2705) 1191.5,2731.5 C12A.2@1191.5,2790 ; C9A.2@1368.5,2790 1368.5,2731.5 v1(1395,2705) ; v1(1700,2705) 1726.5,2731.5 C12B.2@1726.5,2790 ; C9B.2@1905,2795 1905,2720 v1(1920,2705) ; v1(2235,2705) 2261.5,2731.5 C12C.2@2261.5,2790 ; C9C.2@2438.5,2790 2438.5,2721.5 v1(2455,2705) ; v1(2765,2705) 2796.5,2736.5 C12D.2@2796.5,2790 ; C9D.2@2973.5,2790 2973.5,2721.5 v1(2990,2705) ; v1(3305,2705) 3331.5,2731.5 C12E.2@3331.5,2790 ; C9E.2@3510,2790 3510,2715 v1(3525,2700) ; v1(3840,2705) 3866.5,2731.5 C12F.2@3866.5,2790 ; C9F.2@4045,2795 4045,2720 v1(4060,2705) ; v1(4375,2705) 4401.5,2731.5 C12G.2@4401.5,2790 ; C9G.2@4580,2795 4580,2720 v1(4595,2705) ; v1(4910,2705) 4936.5,2731.5 C12H.2@4936.5,2790 ; C9H.2@5115,2795 5115,2720 v1(5130,2705)
DGND: C1.2 C2.2 C3.2 C4.2 C6.2 C7.2 C14.2 C16.2 C19.1 C20.2 C21.2 C22.2 C23.2 C24.1 C25.1 C26.1 C27.1 CON1.38 CON1.40 CON1.42 CON1.44 D2.2 D4.2 GND1.1 GND2.1 GND3.1 JTAG_HEADER1.4 JTAG_HEADER1.8 JTAG_HEADER1.10 JTAG_HEADER1.12 L1.3 L3.1 L4.1 R17.1 U1.27 U1.37 U1.47 U3.3 U3.6 U4.2 U5.4 | length 1449.6
  Top Layer w10: v2(1323,1527) 1363,1567 1500,1567 1520,1547 U5.4@1520,1501 1563.14,1544.14 U4.2@1604.88,1544.14 ; v2(2590,1380) 2618,1380 D4.2@2658,1340 ; R17.1@3035,1415.2 v2@3089,1469.2 ; C16.2@4050,3190 C16.2@4070,3170
  Top Layer w40: U3.6@1932.04,1415 U3.6@1947.04,1430 ; v4(3902,3123) 3950,3171 4031,3171 C16.2@4050,3190
  Bottom Layer w10: C21.2@3100.5,1978.5 C21.2@3105,1974 ; D2.2@4070,3205 D2.2@4070,3230 ; U1.47@4395,1892.4 4426.37,1892.4 4466.37,1852.4 4511.57,1852.4 4518.67,1859.5 4699.2,1859.5 4699.7,1860 4761.5,1860 C2.2@4770,1868.5 4870,1868.5 C4.2@4875,1863.5 C1.2@4950.07,1863.5
  Bottom Layer w40: C3.2@3019.46,1978.5 C21.2@3100.5,1978.5
  other v2: 3089,1475.2 4540,1590 3460,1611 3958,3343 4164,3435
EMU0_DSP: JTAG_HEADER1.13 U1.100 | length 1221.5
  Top Layer w10: U1.100@4545,1967.6 4607.9,1967.6 4640.8,2000.5 4699.2,2000.5 4814.7,1885 5129.85,1885 5225,1789.85 5225,1615.15 5154.85,1545 5105.9,1545 5070,1509.1 5070,1484.53 JTAG_HEADER1.13@5100,1454.53
EMU1_DSP: JTAG_HEADER1.14 U1.50 | length 639.8
  Top Layer w10: U1.50@4545,1817.2 4573.28,1817.2 4590.99,1799.5 4724.05,1799.5 4729.55,1805 5015,1805 5100,1720 JTAG_HEADER1.14@5100,1680
ePWM1A: CON1.1 D20.1 TP2.1 U1.23 | length 6941.5
  Top Layer w10: TP2.1@2820,1715 2835,1715 2897.2,1777.2 3072,1777.2 3187.19,1892.4 U1.23@3195,1892.4
  Signal Layer 1 w10: TP2.1@2820,1715 2785,1680 2785,1453.84 2903.84,1335 4665,1335 5052.5,1722.5 5052.5,2207.5 5095,2250 5095,2597.43 5089.19,2603.23 5089.19,3340.81 4956,3474 3774,3474 3763.39,3463.39 3792.36,3434.43 3771.14,3413.22 3742.18,3442.18 3720.97,3420.97 3749.93,3392 3728.72,3370.79 3699.75,3399.75 3678.54,3378.54 3707.51,3349.58 3686.29,3328.36 3657.33,3357.33 3653,3353 CON1.1@3600,3300
  Bottom Layer w20: 3537.22,3080.15 3585,3127.93 CON1.1@3585,3300
ePWM1B: CON1.2 D26.1 TP3.1 U1.73 | length 6933.9
  Signal Layer 1 w10: U1.73@3195,2042.8 3195,1980 TP3.1@2930,1715 2890,1755 2803.43,1755 2770,1721.57 2770,1447.63 2897.63,1320 4671.21,1320 5067.5,1716.29 5067.5,2201.29 5110,2243.79 5110,2603.64 5104.19,2609.44 5104.19,3347.02 4962.21,3489 3767.79,3489 3678.79,3400 CON1.2@3600,3400
  Bottom Layer w20: D26.1@3530.3,3183.46 3543.46,3183.46 3560,3200 3560,3262.79 3557,3265.79 3557,3337 3570.06,3350.06 3589.25,3350.06 3600,3360.81 CON1.2@3600,3400
ePWM2A: CON1.3 D21.1 TP4.1 U1.24 | length 5707.4
  Top Layer w10: TP4.1@3030,1715 3066.36,1715 3168.57,1817.2 U1.24@3245,1817.2
  Signal Layer 1 w10: TP4.1@3030,1715 3078,1667 3193.15,1667 3205.15,1655 3275,1655 3465.01,1464.99 3556.14,1464.99 3581.13,1440 4630,1440 4725,1535 4725,1540.36 4739.64,1555 4745,1555 4950,1760 4950,2072.45 4970,2092.45 4970,2205 4945,2230 4945,2958.88 4991.08,3004.97 4991.08,3058.81 4939.9,3110 4909.52,3110 4674.52,3345 4634.85,3345 4602.85,3377 4336.43,3377 4318.28,3395.15 3965,3395.15 ; CON1.3@3502.68,3302.68 3520.32,3302.68 3568,3255 3645,3255 3765,3375 3901.21,3375 3921.21,3395 3963.79,3395
  Bottom Layer w20: 3437.22,3080.15 3485,3127.93 CON1.3@3485,3300
ePWM2B: CON1.4 D27.1 TP5.1 U1.74 | length 5865.5
  Top Layer w10: TP5.1@3130,1715 3160,1715 3222.2,1777.2 3261.57,1777.2 3285,1800.64 3285,1833.77 3245,1873.77 U1.74@3245,1967.6
  Signal Layer 1 w10: TP5.1@3130,1715 3166.36,1715 3211.36,1670 3283,1670 3472.5,1480.5 ; 3472.5,1479.99 3562.36,1479.99 3587.35,1455 4623.79,1455 4710,1541.21 4710,1546.57 4733.43,1570 4738.79,1570 4935,1766.21 4935,2078.66 4955,2098.66 4955,2196.25 ; CON1.4@3500,3400 3455,3355 3455,3257.58 3474.58,3238 3650,3238 3772,3360 3910.2,3360 3930.2,3380 3970,3380 3970.15,3380.15 3971.21,3380.15 3971.36,3380 4312.22,3380 4333.22,3359 4599.64,3359 4628.64,3330 4668.3,3330 4903.3,3095 4925,3095 4940,3080 ; 4944.72,3076.89 4971.08,3050.53 4971.08,3013.25 4928,2970.17 4928,2925.28 4930,2923.28 4930,2223.63 4954.95,2198.67
  Bottom Layer w20: D27.1@3430.3,3183.46 3443.46,3183.46 3457,3197 3457,3317.81 3500,3360.81 CON1.4@3500,3400
ePWM3A: CON1.5 D22.1 TP6.1 U1.25 | length 5386.9
  Top Layer w10: TP6.1@3230,1715 3305,1790 3305,1842.06 3295,1852.06 U1.25@3295,1892.4
  Signal Layer 1 w10: TP6.1@3230,1715 3266.36,1715 3486.37,1494.99 3568.57,1494.99 3593.56,1470 4617.57,1470 4695,1547.43 4695,1552.78 4727.22,1585 4732.57,1585 4920,1772.43 4920,2095 4854.64,2160.36 4854.64,3066.57 4835,3086.21 4835,3097.43 4702.43,3230 4495,3230 4410,3315 3790,3315 3675,3200 3449,3200 3400,3249 CON1.5@3400,3300
  Bottom Layer w10: TP6.1@3206.73,1702.91 TP6.1@3214.14,1695.5
  Bottom Layer w20: 3337.22,3080.15 3385,3127.93 CON1.5@3385,3300
ePWM3B: CON1.6 D28.1 TP7.1 U1.75 | length 5587.1
  Signal Layer 1 w10: TP7.1@3330,1715 3330,1672.57 3492.58,1509.99 3574.78,1509.99 3599.77,1485 4611.36,1485 4680,1553.64 4680,1558.99 4721.01,1600 4726.36,1600 4905,1778.64 4905,2088.79 4839.64,2154.14 4839.64,3060.36 4820,3080 4820,3091.21 4696.21,3215 4485,3215 4402.5,3297.5 3793.71,3297.5 3681.21,3185 3406,3185 3362,3229 3362,3362 CON1.6@3400,3400
  Bottom Layer w10: U1.75@3295,2042.8 3295,1941.9 3330,1906.9 3330,1857.4 3295,1822.4 3295,1750 TP7.1@3330,1715
  Bottom Layer w20: D28.1@3330.3,3183.46 3343.46,3183.46 3357,3197 3357,3317.81 3400,3360.81 CON1.6@3400,3400
ePWM4A: CON1.7 D23.1 TP8.1 U1.26 | length 4960.4
  Top Layer w10: U1.26@3345,1817.2 3345,1800 TP8.1@3430,1715
  Signal Layer 1 w10: CON1.7@3300,3300 3300,3171.72 3341.72,3130 3761.21,3130 3819.21,3188 4325.93,3188 4338.93,3175 4677.21,3175 4785,3067.21 4785,2106.21 4845,2046.21 4845,1812 4621,1588 4573.36,1588 4550.36,1565 4529.64,1565 4523.64,1571 3688.78,1571 3670.78,1553 3625.22,1553 3590.22,1588 3568,1588 3441,1715 TP8.1@3430,1715
  Bottom Layer w10: TP8.1@3425.96,1719.04 TP8.1@3430.22,1719.04
  Bottom Layer w20: 3237.22,3080.15 3285,3127.93 CON1.7@3285,3300
ePWM4B: CON1.8 D29.1 TP9.1 U1.76 | length 5234.9
  Top Layer w10: U1.76@3345,1967.6 3345,1885.83 3405,1825.83 3405,1800.64 3428.43,1777.2 3467.8,1777.2 TP9.1@3530,1715
  Signal Layer 1 w10: CON1.8@3300,3400 3262,3362 3262,3165 3312,3115 3767.42,3115 3825.42,3173 4319.72,3173 4332.72,3160 4671,3160 4770,3061 4770,2100 4830,2040 4830,1818.21 4614.79,1603 4562.36,1603 4550.36,1615 4529.64,1615 4500.64,1586 3682.57,1586 3664.57,1568 3631.43,1568 3596.43,1603 3578,1603 3530,1651 TP9.1@3530,1715
  Bottom Layer w20: D29.1@3230.3,3183.46 3243.46,3183.46 3257,3197 3257,3317.81 3300,3360.81 CON1.8@3300,3400
ePWM5A: CON1.9 D24.1 TP10.1 U1.28 | length 4986.8
  Signal Layer 1 w10: CON1.9@3200,3300 3200,3277 3200,3276.72 3200,3256.72 3200,3236.72 3177,3236.72 3177,3216.72 3200,3216.72 3200,3196.72 3200,3176.72 3200,3166.72 3203.93,3162.78 3218.08,3148.64 3185,3115.56 3199.14,3101.42 3232.22,3134.5 3246.36,3120.36 3225.15,3099.14 3239.29,3085 3260.5,3106.21 3274.64,3092.07 3281.72,3085 3295,3085 3315,3085 3325,3085 3647.43,3085 3672.43,3060 3949.35,3060 3999.35,3110 4650.64,3110 4696,3064.64 4696,2945 ; TP10.1@3630,1714.01 3673.01,1671 3720.79,1671 3732.79,1659 3887.01,1659 3901.01,1645 3976,1645 3986,1645 3986,1659 4006,1659 4006,1645 4026,1645 4026,1659 4046,1659 4046,1645 4066,1645 4066,1659 4086,1659 4086,1645 4106,1645 4106,1659 4126,1659 4126,1645 4145,1645 4425,1645 4435,1655 4540.21,1655 4704.71,1819.5 4715.77,1819.5 4785.5,1889.23 4785.5,1998.34 4715,2068.84 4715,2925.86 4697.93,2942.93
  Bottom Layer w10: U1.28@3445,1817.2 3502.2,1760 3548.64,1760 3594.63,1714.01 TP10.1@3630,1714.01
  Bottom Layer w20: 3137.22,3080.15 3185,3127.93 CON1.9@3185,3300
ePWM5B: CON1.10 D30.1 TP11.1 U1.78 | length 5164
  Top Layer w10: U1.78@3445,1967.6 3445,1870 3457.8,1857.2 3461.57,1857.2 3485,1833.77 3485,1820.64 3528.43,1777.2 3630.44,1777.2 3693.64,1714.01 TP11.1@3730,1714.01
  Signal Layer 1 w10: CON1.10@3200,3400 3162,3362 3162,3161.28 3170,3153.28 3170,3101 3201,3070 3641.21,3070 3666.21,3045 3676.21,3045 3696.21,3045 3696.21,3015 3716.21,3015 3716.21,3045 3736.21,3045 3736.21,3034.02 3756.21,3034.02 3756.21,3045 3776.21,3045 3776.21,3033.39 3796.21,3033.39 3796.21,3045 3816.21,3045 3816.21,3018.78 3836.21,3018.78 3836.21,3045 3856.21,3045 3856.21,3040 3876.21,3040 3876.21,3045 3896.21,3045 3896.21,3040 3916.21,3040 3916.21,3045 3936.21,3045 3955.56,3045 3959.78,3049.22 4005.56,3095 4644.43,3095 4681,3058.43 4681,2938.64 4700,2919.64 4700,2062.63 4770.5,1992.13 4770.5,1895.44 4709.56,1834.5 4698.5,1834.5 4534,1670 4428.79,1670 4418.79,1660 4146.21,1660 4132.21,1674 3966.78,1674 3952.78,1660 3907.22,1660 3893.22,1674 3739,1674 3730,1683 TP11.1@3730,1714.01
  Bottom Layer w20: D30.1@3130.3,3183.46 3143.46,3183.46 3157,3197 3157,3317.81 3200,3360.81 CON1.10@3200,3400